# Altium PCB LimeSDR-Micro_M.2_1v0.PcbDoc (part 4 of 7)
Units mm, origin at the board's own origin, x right, y up, seen from the top; angles counter-clockwise.
Board outline 80 x 22 mm, 8 copper layers (Top, L2, L3, L4, L5, L6, L7, Bottom), stack 0.775 mm thick; 661 components, 371 nets, 2334 pads, 807 vias.
Unrouted connection lines stored in the file: 254.
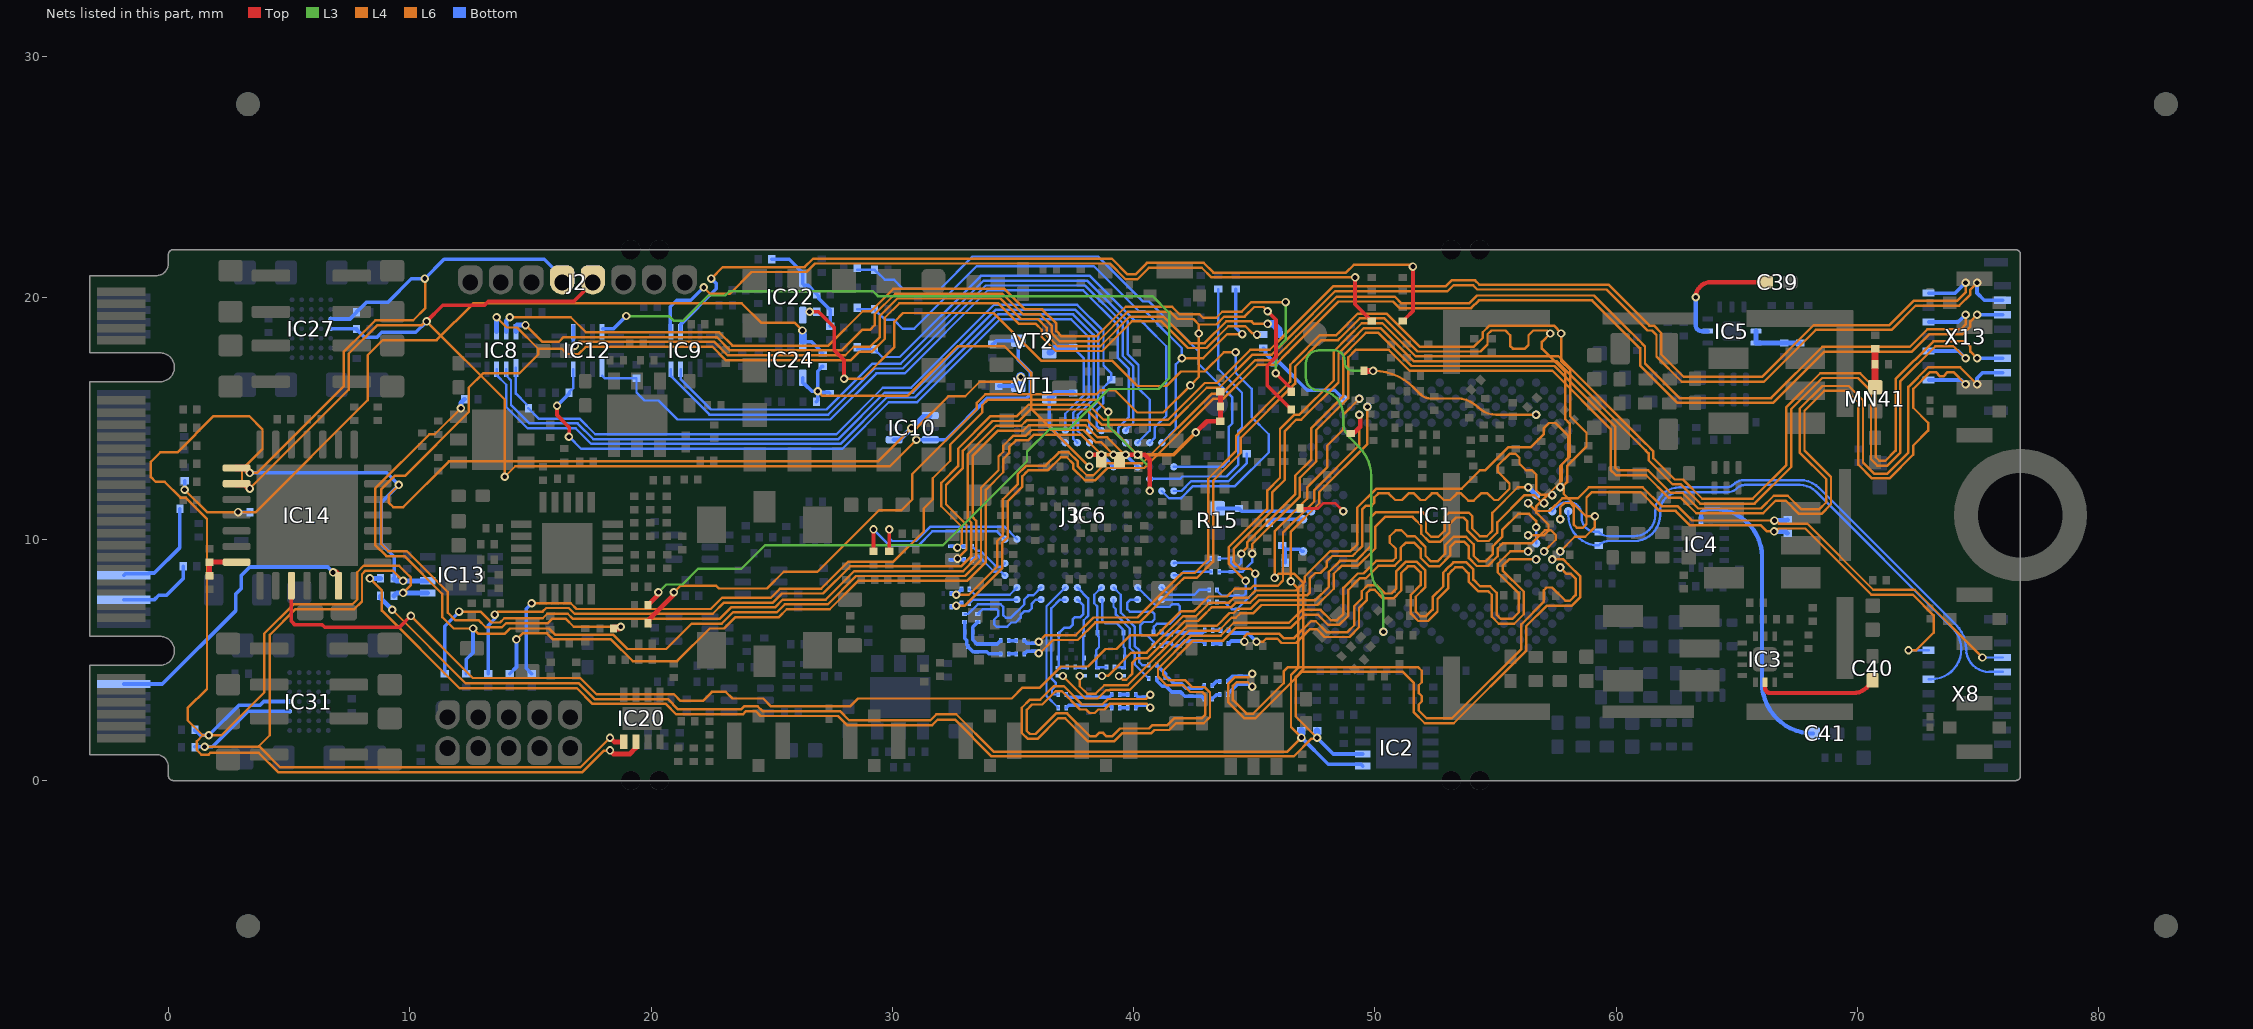
[diagram p10: the nets of this part, all layers, seen from the top]

## Via types
v1: diameter 0.35, hole 0.2, Top to Bottom, tented both sides, 696 vias
v2: diameter 0.35, hole 0.2, L5 to Bottom, tented both sides, 73 vias
v3: diameter 0.4, hole 0.2, Top to Bottom, tented both sides, 30 vias
v4: diameter 0.5, hole 0.2, Top to Bottom, tented both sides, 8 vias

## Nets (pads, with @x,y where several pads share a name; then routed paths per layer and width w, separated by ;. In a path a pad name is that pad's centre, name@x,y a point inside that pad or via, vN(x,y) a via of type N, cw(c..) or ccw(c..) an arc to the next point about the centre after c; other vN are vias at no path point) (continued)
LA_CFG_PCIE_GEN: IC6.P13 R124.2 R133.1 | length 19.8
  Bottom w0.1: R124.2@28.55,17.875 R133.1@29.265,17.875 29.265,17.866 29.581,17.55 30.305,17.55 33.67,20.915 38.186,20.915 40.051,19.05 40.3,19.05 40.375,18.975 40.385,18.975 40.575,18.785 40.575,18.775 41.35,18 41.35,15.108 40.867,14.624 40.867,14.2 IC6.P13@40.667,14
LA_CFG_RST_HNDSHK: IC6.P14 R120.2 R129.1 R136.1 | length 25.4
  L6 w0.1: v1(42,17.5) 42.881,17.5 43.881,18.5 v1(44.5,18.5)
  Bottom w0.1: R120.2@28.55,19.525 R129.1@29.265,19.525 29.265,19.5 29.365,19.4 29.39,19.4 29.69,19.1 30.05,19.1 30.425,18.725 30.905,18.725 33.495,21.315 38.352,21.315 40.217,19.45 40.466,19.45 40.541,19.375 40.55,19.375 40.975,18.95 40.975,18.941 42,17.916 v1(42,17.5) 41.75,17.25 41.75,14.583 IC6.P14@41.167,14
  Bottom w0.15: R136.1@44.238,20.365 44.238,18.762 v1(44.5,18.5)
LA_CFG_TEST_PORT_DIS: IC6.M15 R121.2 R130.1 | length 24.2
  Bottom w0.1: R121.2@28.55,21.175 R130.1@29.265,21.175 29.265,21.15 29.365,21.05 29.39,21.05 29.69,20.75 30.075,20.75 30.45,20.375 31.989,20.375 33.329,21.715 38.518,21.715 40.383,19.85 40.631,19.85 40.706,19.775 40.716,19.775 41.375,19.116 41.375,19.106 42.7,17.781 42.7,17.258 44.091,15.867 44.091,14.806 43.941,14.656 43.941,13.258 43.683,13 IC6.M15@41.667,13
LA_DCS_CLK_N: IC6.F2 R89.2 | length 7.1
  Top w0.15: R89.2@29.87,9.505 v1(29.87,10.405)
  Bottom w0.1: v1(29.87,10.405) 29.87,10.055 30,9.925 30.975,9.925 31.575,10.525 34.642,10.525 IC6.F2@35.167,10
LA_DCS_CLK_P: IC6.F1 R85.2 | length 7
  Top w0.15: R85.2@29.22,9.505 v1(29.22,10.405)
  Bottom w0.1: v1(29.22,10.405) 29.9,9.725 31.058,9.725 31.658,10.325 34.342,10.325 IC6.F1@34.667,10
LA_GPIO_05: IC6.L13 R134.1 | length 11.7
  Bottom w0.1: IC6.L13@40.667,12.5 41.916,12.5 42.016,12.6 43.849,12.6 44.341,13.092 44.341,14.491 44.491,14.641 44.491,16.067 43.512,17.045 R134.1@43.512,20.365
LA_GPIO_06: IC6.K15 R138.1 | length 3.9
  Bottom w0.1: IC6.K15@41.667,12 41.983,12 42.383,12.4 43.931,12.4 44.691,13.159 R138.1@44.691,13.545
LA_HRESET: D1.A IC6.K13 R77.2 R94.2 | length 39.2
  Top w0.2: D1.A@39.341,13.5 40.466,13.5 40.667,13.299 v1(40.667,12)
  L3 w0.1: v1(38.95,15.275) 38.95,14.691 40.667,12.974 v1(40.667,12)
  L6 w0.1: v1(15.05,7.35) 16.3,7.35 16.674,7.35 16.914,7.11 22.477,7.11 22.942,7.575 24.966,7.575 25.341,7.95 27.051,7.95 28.176,9.075 30.05,9.075 31.3,10.325 31.3,11.275 31.675,11.65 31.675,12.525 32.4,13.25 32.4,13.925 33.725,15.25 33.725,15.55 33.95,15.775 38.45,15.775 v1(38.95,15.275)
  Bottom w0.15: R77.2@15.05,4.43 14.825,4.655 14.825,7.125 v1(15.05,7.35)
LA_I2C_SCL: IC10.1 IC10.4 IC13.6 IC14.8 IC20.5 IC27.E5 IC31.E5 J2.4 pad.2@16.32,20.84 R26.1 R143.2 R207.2 R221.2 VT1.D | length 104.1
  Top w0.2: v1(18.3,1.775) 18.475,1.6 IC20.5@18.875,1.6
  Top w0.3: IC14.8@2.825,12.95 3.25,12.95 3.25,12.889 3.375,12.764 v1(3.375,12.75)
  L6 w0.1: v1@1.548,1.448 v1(1.5,1.4) 3.725,1.4 4.2,1.875 4.2,6.035 5.267,7.102 7.702,7.102 8.025,7.425 8.025,8.55 8.175,8.7 9.3,8.7 v1(9.725,8.275) ; v1(3.375,12.75) 3.675,12.75 7.275,16.35 7.275,17.775 8.1,18.6 ; 3.75,1.425 4.625,0.55 17.075,0.55 v1(18.3,1.775) ; 8.101,18.6 8.576,19.075 10.15,19.075 10.65,19.575 10.65,20.775 v1(10.625,20.8) ; v1@9.675,12.25 v1(9.55,12.25) 9.125,11.825 9.125,11.525 9.325,11.325 9.725,11.325 11.625,13.225 29.414,13.225 v1(30.794,14.605) 31.005,14.605 32.325,15.925 33.025,15.925 33.625,16.525 35.125,16.525 v1(35.321,16.721)
  Bottom w0.15: R221.2@1.1,1.4 v1(1.5,1.4) 1.825,1.4 3.3,2.875 4.225,2.875 IC31.E5@5.025,2.875 ; v1(3.375,12.75) 9.05,12.75 v1(9.55,12.25) 8.825,11.525 8.825,9.8 9.355,9.27 R26.1@9.355,8.375 ; IC27.E5@6.725,19.125 7.525,19.125 R207.2@7.8,19.4 7.8,19.425 7.875,19.5 7.888,19.5 8.213,19.825 9.1,19.825 10.065,20.79 10.615,20.79 v1(10.625,20.8) 11.425,21.6 15.575,21.6 16.32,20.855 pad.2@16.32,20.84 J2.4@16.32,20.64 ; R143.2@34.41,16.35 VT1.D@35.221,16.35
  Bottom w0.2: R26.1@9.355,8.375 9.355,8.35 9.405,8.3 9.43,8.3 9.455,8.275 v1(9.725,8.275) IC13.6@10.75,8.275 ; IC10.1@30.075,14.125 30.314,14.125 v1(30.794,14.605) 31.274,15.085 31.535,15.085 IC10.4@31.575,15.125
  Bottom w0.4: VT1.D@35.221,16.35 35.271,16.35 35.321,16.4 v1(35.321,16.721)
LA_I2C_SCL_LS: IC6.P6 R144.2 VT1.S | length 3.3
  Bottom w0.1: 37.239,16.063 37.264,16.063 R144.2@37.364,15.963
  Bottom w0.15: VT1.S@36.511,15.86 36.511,14.656 IC6.P6@37.167,14
  Bottom w0.25: VT1.S@36.511,15.86 36.561,15.86 36.763,16.063 37.239,16.063 ; 37.264,16.063 R144.2@37.489,16.063
LA_I2C_SDA: IC10.6 IC13.5 IC14.9 IC20.6 IC27.D5 IC31.D5 J2.5 pad.2@17.59,20.84 R30.1 R149.2 R209.2 R220.2 VT2.D | length 120.9
  Top w0.15: v1(10.7,19.025) 11.375,19.7 13.1,19.7 13.25,19.85 16.8,19.85 J2.5@17.59,20.64
  Top w0.2: v1(18.3,1.25) 18.45,1.1 19.125,1.1 19.375,1.35 IC20.6@19.375,1.6
  Top w0.3: IC14.9@2.825,12.3 3.25,12.3 3.25,12.239 3.375,12.114 v1(3.375,12.1)
  L4 w0.1: v1(10.7,19.025) 13.938,15.787 v1(13.938,12.588)
  L6 w0.1: v1(9.725,7.775) 10.05,8.1 10.05,8.41 9.86,8.6 ; 9.859,8.6 9.559,8.9 8.092,8.9 7.825,8.633 7.825,7.508 7.619,7.302 5.185,7.302 3.975,6.092 3.975,3.65 2.2,1.875 v1(1.675,1.875) 1.425,1.875 ; v1(10.7,19.025) 10.666,19.025 10.516,18.875 8.659,18.875 7.475,17.691 7.475,16.2 v1(3.375,12.1) 3.05,12.425 3.05,12.885 3.9,13.735 3.9,14.55 3.35,15.1 1.875,15.1 0.375,13.6 -0.335,13.6 -0.725,13.21 -0.725,12.575 -0.53,12.38 -0.155,12.38 0.5,11.725 0.717,11.725 1.6,10.842 1.6,3.8 0.8,3 0.8,2.5 1.425,1.875 ; v1(13.938,12.588) 14.375,13.025 29.9,13.025 v1(31,14.125) ; v1(18.3,1.25) 18.291,1.241 18.049,1.241 17.158,0.35 4.542,0.35 3.742,1.15 1.74,1.15 1.665,1.075 1.365,1.075 1.175,1.265 1.175,1.625 1.425,1.875
  Bottom w0.15: R220.2@1.1,2.1 1.1,2.075 1.175,2 1.2,2 1.325,1.875 v1(1.675,1.875) 2.925,3.125 3.8,3.125 3.95,3.275 IC31.D5@5.025,3.275 ; IC27.D5@6.725,18.725 R209.2@7.8,18.725 ; R209.2@7.8,18.713 7.8,18.687 7.875,18.613 7.888,18.613 8.138,18.362 8.635,18.362 8.848,18.575 10.25,18.575 v1(10.7,19.025) ; v1(31,14.125) IC10.6@31.575,14.125 32.22,14.125 33.945,15.85 35.575,15.85 35.725,16 35.725,16.925 35.221,17.429 VT2.D@35.221,18.225 34.315,18.225 34.175,18.085 R149.2@34.15,18.085
  Bottom w0.2: R30.1@9.355,7.65 9.355,7.675 9.405,7.725 9.43,7.725 9.48,7.775 v1(9.725,7.775) IC13.5@10.75,7.775
LA_I2C_SDA_LS: IC6.R6 R148.2 VT2.S | length 5
  Bottom w0.1: IC6.R6@37.167,14.5 37.167,15.199 37.941,15.974 37.941,16.861 37.941,17.486 R148.2@37.489,17.938
  Bottom w0.25: VT2.S@36.511,17.735 36.561,17.735 36.763,17.938 R148.2@37.489,17.938
LA_LED1: IC9.9 R141.2 | length 33.1
  Top w0.15: v1(49.175,20.85) 49.175,19.733 49.775,19.133 49.775,19.12 49.85,19.045 R141.2@49.875,19.045
  L6 w0.1: v1(22.187,20.438) 22.45,20.175 23.267,20.175 24.167,21.075 26.45,21.075 26.8,21.425 39.016,21.425 39.666,20.775 40.158,20.775 40.633,21.25 42.825,21.25 43.225,20.85 v1(49.175,20.85)
  Bottom w0.15: IC9.9@20.825,18.6 20.803,18.622 20.803,19.302 20.8,19.305 20.8,19.595 20.803,19.598 20.803,19.628 21.075,19.9 21.65,19.9 v1(22.187,20.438)
LA_LED1_LS: IC6.R11 IC9.4 | length 27.3
  Bottom w0.1: IC9.4@20.825,17.05 20.825,16.758 22.42,15.162 27.345,15.162 29.258,17.075 30.431,17.075 33.871,20.515 37.989,20.515 39.55,18.954 39.55,17.592 39.991,17.151 39.991,14.824 IC6.R11@39.667,14.5
LA_LED2: IC9.10 R147.2 | length 35.7
  Top w0.15: R147.2@51.15,19.045 51.175,19.045 51.25,19.12 51.25,19.133 51.575,19.458 51.575,21.2 51.475,21.3 v1(51.575,21.3)
  L6 w0.1: v1(22.5,20.8) 22.975,21.275 26.367,21.275 26.717,21.625 39.099,21.625 39.749,20.975 40.075,20.975 40.55,21.45 42.908,21.45 43.308,21.05 48.8,21.05 49.125,21.375 51.5,21.375 v1(51.575,21.3)
  Bottom w0.15: IC9.10@21.225,18.6 21.225,18.9 22.7,20.375 22.7,20.6 v1(22.5,20.8)
LA_LED2_LS: IC6.P12 IC9.3 | length 28
  Bottom w0.1: IC9.3@21.225,17.05 21.225,16.64 22.49,15.375 27.275,15.375 29.175,17.275 30.348,17.275 33.788,20.715 38.072,20.715 39.75,19.037 39.75,17.675 40.2,17.225 40.2,16.25 40.666,15.784 40.666,14.499 IC6.P12@40.167,14
LA_PPS_IN: IC22.3 R177.2 R180.2 R183.2 R186.1 | length 4.2
  Bottom w0.15: R177.2@25.005,21.6 25.725,21.6 26.289,21.036 IC22.3@26.289,20.79 26.289,20.591 26.364,20.516 26.504,20.516 R180.2@26.87,20.15 26.945,20.075 26.945,19.985 R186.1@27.43,19.5 ; R183.2@27.43,18.825 R186.1@27.43,19.425
LA_PPS_IN_LS: IC6.K14 IC22.4 R186.2 | length 33.4
  Top w0.15: v1(26.572,19.425) 26.944,19.425 27.6,18.769 27.6,17.825 28,17.425 v1(28,16.65)
  L6 w0.1: v1(28,16.65) 28.775,16.65 30.087,17.962 30.087,19.012 30.45,19.375 34.192,19.375 36.167,17.4 39.107,17.4 40.157,16.35 41.367,16.35 41.967,16.95 42.94,16.95 43.74,17.75 v1@44.175,17.75
  Bottom w0.1: IC6.K14@41.167,12 41.467,11.7 41.966,11.7 42.466,12.2 44.2,12.2 45.6,13.6 45.6,14.35 44.891,15.059 44.891,16.233 44.225,16.899 v1(44.225,17.75)
LA_PPS_OUT: IC24.3 R193.2 R196.2 R197.1 | length 33.5
  L6 w0.1: v2(0.675,12.05) 1.6,11.125 v2(2.887,11.125) 3.625,11.125 8.258,15.758 8.258,17.625 8.883,18.25 11.117,18.25 12.642,19.775 23.758,19.775 24.558,18.975 25.95,18.975 v1(26.275,18.65)
  Bottom w0.15: v2(0.675,12.05) R193.2@0.675,12.42 ; v2(2.887,11.125) R196.2@3.387,11.125 ; IC24.3@26.289,18.19 26.644,18.19 27.014,17.82 27.014,17.795 27.089,17.72 R197.1@27.114,17.72
  Bottom w0.3: v1(26.275,18.65) 26.275,18.636 26.289,18.622 IC24.3@26.289,18.19
LA_PPS_OUT_LS: IC6.M8 IC24.4 R122.2 R131.1 R197.2 | length 18.1
  L4 w0.1: v1(26.91,16.129) 27.089,15.95 30.65,15.95 32.7,18 34.65,18 35.75,16.9 35.75,15.417 v1(38.167,13)
  Bottom w0.15: IC24.4@26.289,16.69 26.289,16.49 26.364,16.415 26.385,16.415 26.671,16.129 v1(26.91,16.129) ; R131.1@26.855,15.7 26.91,15.755 v1(26.91,16.129) ; v1@26.91,16.279 26.91,16.956 27.014,17.06 27.014,17.085 27.089,17.16 R197.2@27.114,17.16 ; R122.2@27.401,16.04 27.361,16.08 27.013,16.08 26.964,16.129 v1(26.91,16.129)
LA_RO0_EXT_I_N: R97.2 R106.1 X13.3 | length 56.8
  L6 w0.1: v2(32.7,9.2) 33.075,9.575 33.075,10.6 32.225,11.45 32.225,12.25 32.925,12.95 32.925,13.667 34.158,14.9 35.25,14.9 35.725,15.375 38.05,15.375 38.675,14.75 41.508,14.75 43.033,16.275 43.547,16.275 44.922,17.65 45.725,17.65 46.23,18.155 46.233,18.155 46.541,18.463 46.541,18.466 48.35,20.275 53.008,20.275 53.258,20.525 54.067,20.525 54.242,20.35 59.591,20.35 61.291,18.65 61.475,18.65 61.666,18.46 61.666,17.575 62.716,16.525 66.116,16.525 68.266,18.675 71.4,18.675 72.4,19.675 74.208,19.675 74.675,20.142 74.675,20.35 v2(74.95,20.625)
  Bottom w0.15: R106.1@32.426,9.15 R97.2@32.975,9.15 ; v2(74.95,20.625) 74.95,20.2 75.25,19.9 X13.3@76.008,19.9
LA_RO0_EXT_I_P: R96.2 R105.1 X13.2 | length 56.3
  L6 w0.1: v2(32.695,9.655) 32.875,9.835 32.875,10.517 32.025,11.367 32.025,12.333 32.725,13.033 32.725,13.75 34.075,15.1 35.167,15.1 35.642,15.575 38.133,15.575 38.758,14.95 41.425,14.95 42.95,16.475 43.464,16.475 44.839,17.85 45.642,17.85 46.147,18.355 46.15,18.355 46.341,18.545 46.341,18.549 48.267,20.475 52.925,20.475 53.175,20.725 54.15,20.725 54.325,20.55 59.674,20.55 61.374,18.85 61.558,18.85 61.866,18.542 61.866,17.658 62.799,16.725 66.033,16.725 68.183,18.875 71.317,18.875 72.317,19.875 74.125,19.875 74.475,20.225 v2(74.475,20.625)
  Bottom w0.15: R105.1@32.421,9.705 R96.2@32.97,9.705 ; X13.2@72.943,20.2 74.05,20.2 v2(74.475,20.625)
LA_RO0_EXT_Q_N: R99.2 R108.1 X13.6 | length 55.9
  L6 w0.1: v2(32.651,7.7) 33.175,7.7 34.35,8.875 34.35,9.925 34.575,10.15 34.575,11.651 35.191,12.267 35.191,12.692 35.498,13 35.5,13 35.55,13.05 36.35,13.05 36.9,13.6 37.107,13.6 37.309,13.6 37.692,13.217 37.692,13.015 38.057,12.65 38.333,12.65 38.833,13.15 40.358,13.15 43.233,16.025 43.641,16.025 45.041,17.425 45.783,17.425 46.313,17.955 46.316,17.955 46.741,18.38 46.741,18.383 48.408,20.05 50.825,20.05 51.1,19.775 53.9,19.775 54.225,20.1 59.081,20.1 59.534,19.648 60.366,18.816 60.916,18.266 61.191,17.991 61.191,17.283 62.624,15.85 66.417,15.85 68.542,17.975 72.167,17.975 72.892,18.7 74.275,18.7 74.475,18.9 v2(74.475,19.3)
  Bottom w0.15: R108.1@32.436,7.75 32.696,7.75 32.839,7.893 32.866,7.893 R99.2@32.866,7.925 ; X13.6@72.943,19 74.175,19 v2(74.475,19.3)
LA_RO0_EXT_Q_P: R98.2 R107.1 X13.5 | length 55.8
  L6 w0.1: v2(32.651,7.25) 33.008,7.25 34.55,8.792 34.55,9.842 34.775,10.067 34.775,11.568 35.391,12.184 35.391,12.61 35.581,12.8 35.583,12.8 35.633,12.85 36.433,12.85 36.983,13.4 37.226,13.4 37.492,13.135 37.492,12.933 37.974,12.45 38.016,12.45 38.416,12.45 38.916,12.95 40.441,12.95 43.316,15.825 43.724,15.825 45.124,17.225 45.866,17.225 46.396,17.755 46.399,17.755 46.941,18.297 46.941,18.3 48.491,19.85 50.742,19.85 51.017,19.575 53.983,19.575 54.308,19.9 58.999,19.9 60.991,17.908 60.991,17.2 62.541,15.65 66.5,15.65 68.625,17.775 72.25,17.775 72.975,18.5 74.358,18.5 74.675,18.817 74.675,19.025 v2(74.95,19.3)
  Bottom w0.15: R107.1@32.436,7.2 32.655,7.2 32.772,7.318 32.866,7.318 R98.2@32.866,7.35 ; v2(74.95,19.3) X13.5@76.008,19.3
LA_RO0_I_N: IC6.C1 R97.1 | length 1.8
  Bottom w0.1: R97.1@33.305,9.15 33.48,9.325 33.55,9.325 34.225,8.65 34.508,8.65 34.658,8.5 IC6.C1@34.667,8.5
LA_RO0_I_P: IC6.D1 R96.1 | length 1.8
  Bottom w0.1: R96.1@33.3,9.705 33.48,9.525 33.65,9.525 34.325,8.85 34.508,8.85 34.658,9 IC6.D1@34.667,9
LA_RO0_Q_N: IC6.B2 R99.1 | length 2.2
  Bottom w0.1: R99.1@33.196,7.925 33.421,7.7 34.867,7.7 IC6.B2@35.167,8
LA_RO0_Q_P: IC6.A2 R98.1 | length 2
  Bottom w0.1: R98.1@33.196,7.35 33.346,7.5 IC6.A2@35.167,7.5
LA_RO1_EXT_I_N: R101.2 R110.1 X13.11 | length 55.9
  L6 w0.1: v2(44.641,8.275) 43.941,8.975 43.941,9.675 45.541,11.275 45.541,12.025 46.066,12.55 46.066,14.567 46.649,15.15 46.858,15.15 48.291,16.583 48.291,17.784 48.886,18.379 ; 48.886,18.38 49.455,18.95 50.314,18.95 51.684,17.58 57.601,17.58 61.106,14.075 61.108,14.075 61.416,13.767 61.416,13.765 61.541,13.64 61.541,13.358 62.424,12.475 62.766,12.475 63.566,11.675 65.65,11.675 67.05,13.075 67.05,15.475 68.455,16.88 70.103,16.88 70.755,16.228 70.755,13.395 70.9,13.25 71.15,13.25 71.575,13.675 71.575,16.2 71.575,16.633 73.142,18.2 73.575,18.2 74.458,18.2 74.675,17.983 74.675,17.775 v2(74.95,17.5)
  Bottom w0.1: R101.2@43.456,7.9 43.456,7.868 43.673,7.65 R110.1@44.281,7.65 44.548,7.65 44.641,7.743 v2(44.641,8.275)
  Bottom w0.15: v2(74.95,17.5) X13.11@76.008,17.5
LA_RO1_EXT_I_P: R100.2 R109.1 X13.10 | length 56.4
  L6 w0.1: v2(45.041,8.575) 44.841,8.775 44.424,8.775 44.141,9.058 44.141,9.592 45.741,11.192 45.741,11.467 45.741,11.942 46.266,12.467 46.266,14.484 46.731,14.95 46.941,14.95 48.491,16.5 48.491,17.701 49.086,18.296 ; 49.086,18.297 49.538,18.75 50.231,18.75 51.601,17.38 57.518,17.38 61.023,13.875 61.025,13.875 61.216,13.685 61.216,13.683 61.341,13.558 61.341,13.275 62.341,12.275 62.683,12.275 63.483,11.475 65.733,11.475 67.25,12.992 67.25,15.392 68.538,16.68 70.02,16.68 70.555,16.145 70.555,13.312 70.817,13.05 71.233,13.05 71.775,13.592 71.775,16.55 73.225,18 73.975,18 v2(74.475,17.5)
  Bottom w0.1: R100.2@43.456,7.4 43.766,7.4 44.066,7.1 R109.1@44.281,7.1 45.041,7.86 v2(45.041,8.575)
  Bottom w0.15: X13.10@72.943,17.8 74.175,17.8 v2(74.475,17.5)
LA_RO1_EXT_Q_N: R103.2 R112.1 X13.14 | length 56.5
  L6 w0.1: v2(44.916,9.4) 44.916,9.8 46.891,11.775 46.891,12.55 47.566,13.225 47.566,14.525 48.891,15.85 48.891,17.536 49.2,17.845 50.571,17.845 51.436,16.98 57.353,16.98 59.766,14.567 59.766,12.875 59.991,12.65 61.241,12.65 62.166,11.725 62.667,11.725 63.317,11.075 66.083,11.075 66.608,11.6 67.025,11.6 67.575,11.05 68.5,11.05 68.9,11.45 68.9,12.575 67.8,13.675 67.8,15.325 68.625,16.15 69.55,16.15 70.025,15.675 70.025,13.092 70.597,12.52 71.32,12.52 72.305,13.505 72.305,13.881 72.925,14.5 72.925,14.827 72.305,15.447 72.305,16.23 73,16.925 73.244,16.925 73.419,16.75 73.556,16.75 73.731,16.925 73.975,16.925 v2(74.475,16.425)
  Bottom w0.1: R103.2@43.541,8.65 R112.1@44.041,8.65 44.516,8.65 44.916,9.05 v2(44.916,9.4)
  Bottom w0.15: X13.14@72.943,16.6 74.3,16.6 v2(74.475,16.425)
LA_RO1_EXT_Q_P: R102.2 R111.1 X13.13 | length 56.7
  L6 w0.1: v2@44.453,9.412 44.716,9.675 44.716,9.883 46.691,11.858 46.691,12.633 47.366,13.308 47.366,14.608 48.691,15.933 48.691,17.619 49.286,18.214 49.621,18.55 50.149,18.55 51.519,17.18 57.435,17.18 59.966,14.65 59.966,12.958 60.074,12.85 61.324,12.85 62.249,11.925 62.75,11.925 63.4,11.275 66,11.275 66.525,11.8 67.108,11.8 67.658,11.25 68.417,11.25 68.7,11.533 68.7,12.492 67.6,13.592 67.6,15.408 68.542,16.35 69.633,16.35 70.225,15.758 70.225,15.433 70.225,13.175 70.68,12.72 71.237,12.72 72.105,13.588 72.105,15.738 72.105,16.313 72.917,17.125 73.492,17.125 74.25,17.125 v2(74.95,16.425)
  Bottom w0.1: R102.2@43.541,9.2 R111.1@44.041,9.2 44.041,9.034 44.199,8.875 44.316,8.875 44.466,9.025 v2(44.466,9.4)
  Bottom w0.15: v2(74.95,16.425) 74.95,16.675 75.175,16.9 X13.13@76.008,16.9
LA_RO1_I_N: IC6.B14 R101.1 | length 2.2
  Bottom w0.1: IC6.B14@41.167,8 41.467,7.7 42.516,7.7 42.716,7.9 R101.1@43.126,7.9
LA_RO1_I_P: IC6.A14 R100.1 | length 2
  Bottom w0.1: IC6.A14@41.167,7.5 41.205,7.538 41.243,7.5 43.026,7.5 R100.1@43.126,7.4
LA_RO1_Q_N: IC6.C15 R103.1 | length 1.6
  Bottom w0.1: IC6.C15@41.667,8.5 41.916,8.5 42.066,8.65 R103.1@43.211,8.65 43.198,8.662 R103.1@43.186,8.675
LA_RO1_Q_P: IC6.D15 R102.1 | length 1.6
  Bottom w0.1: IC6.D15@41.667,9 41.692,9.025 43.036,9.025 R102.1@43.211,9.2
LA_RX0_I_N: IC6.A4 R28.1 | length 4.2
  Bottom w0.1: R28.1@33.541,6.9 33.573,6.9 33.598,6.925 33.598,6.958 33.741,7.1 34.32,7.1 34.391,7.029 34.391,6.837 34.216,6.662 34.216,6.475 34.316,6.375 34.756,6.375 34.931,6.55 35.116,6.55 35.316,6.75 35.316,6.866 35.473,7.023 35.664,7.023 35.783,7.142 35.783,7.333 35.946,7.496 36.163,7.496 IC6.A4@36.167,7.5
LA_RX0_I_P: IC6.B4 R34.1 | length 4.4
  Bottom w0.1: R34.1@32.991,6.9 33.14,6.9 33.54,7.3 34.491,7.3 34.591,7.2 34.591,6.858 34.699,6.75 34.917,6.75 35.467,7.3 35.467,7.501 35.641,7.675 35.842,7.675 IC6.B4@36.167,8
LA_RX0_Q_N: IC6.B6 R37.1 | length 5.5
  Bottom w0.1: R37.1@36.876,3.015 36.391,3.5 36.391,7.224 IC6.B6@37.167,8
LA_RX0_Q_P: IC6.A6 R42.1 | length 4.7
  Bottom w0.1: R42.1@36.876,3.565 36.676,3.565 36.616,3.625 36.616,3.775 36.766,3.925 36.766,4.06 36.591,4.235 36.591,7.141 36.946,7.496 37.163,7.496 IC6.A6@37.167,7.5
LA_RX1_I_N: IC6.B10 R44.1 | length 4
  Bottom w0.1: IC6.B10@39.167,8 39.466,7.701 39.466,7.625 39.467,7.624 39.467,7.376 39.466,7.375 39.466,6.958 40.041,6.383 40.041,5.583 40.241,5.383 40.241,4.903 40.359,4.785 R44.1@40.626,4.785
LA_RX1_I_P: IC6.A10 R49.1 | length 3.9
  Bottom w0.1: IC6.A10@39.167,7.5 39.167,7.199 39.266,7.1 39.266,6.875 39.841,6.3 39.841,5.5 40.041,5.3 40.041,4.82 R49.1@40.626,4.235
LA_RX1_Q_N: IC6.A12 R51.1 | length 4
  Bottom w0.1: IC6.A12@40.167,7.5 39.866,7.5 39.741,7.375 39.741,7.1 39.841,7 40.766,7 40.866,6.9 40.866,6.683 40.754,6.571 40.412,6.571 40.266,6.425 40.266,6.1 40.341,6.025 40.55,6.025 40.826,5.75 R51.1@40.826,5.675
LA_RX1_Q_P: IC6.B12 R58.1 | length 4
  Bottom w0.1: IC6.B12@40.167,8 40.467,7.7 ; 40.467,7.699 40.966,7.2 41.491,7.2 41.591,7.3 41.841,7.3 41.916,7.225 41.916,6.91 41.506,6.5 40.966,6.5 40.826,6.36 R58.1@40.826,6.15
LA_SPI_ADF_SS: IC12.12 R195.2 | length 53.1
  Top w0.2: R195.2@19.875,7.28 R195.2@19.88,7.275 19.88,7.3 19.93,7.35 19.955,7.35 v1@20.305,7.7
  L3 w0.1: v1(18.975,19.25) 18.988,19.237 20.763,19.237 20.95,19.05 21.325,19.05 22.375,20.1 23.065,20.1 23.24,20.275 29.2,20.275 29.4,20.075 40.775,20.075 41.475,19.375 41.475,16.675 41.025,16.225 38.975,16.225 37.325,14.575 36.525,14.575 35.581,13.631 35.581,13.231 32.1,9.75 24.725,9.75 23.75,8.775 21.95,8.775 21.3,8.125 20.63,8.125 v1(20.305,7.8)
  Bottom w0.15: IC12.12@18,18.725 18.45,18.725 v1(18.975,19.25)
LA_SPI_ADF_SS_LS: IC6.P11 IC12.1 R115.2 | length 30.6
  Bottom w0.1: IC12.1@17.975,16.775 18.08,16.67 R115.2@19.4,16.67 19.4,16.083 19.733,15.75 20.316,15.75 21.104,14.962 27.428,14.962 29.341,16.875 30.514,16.875 33.954,20.315 37.906,20.315 39.35,18.871 39.35,17.509 39.791,17.069 39.791,15.048 39.367,14.624 39.367,14.3 IC6.P11@39.667,14
LA_SPI_LMS_SS: IC12.9 R23.2 | length 34.4
  L6 w0.1: v2(16.85,18.025) 16.884,18.025 17.034,18.175 22.625,18.175 23.175,17.625 28.05,17.625 28.4,17.975 29.075,17.975 29.488,18.387 29.488,19.261 30.201,19.975 34.484,19.975 35.334,19.125 36.033,19.125 36.393,18.764 36.393,18.464 36.858,18 38.617,18 39.842,19.225 41.233,19.225 42.333,18.125 42.941,18.125 43.841,19.025 44.89,19.025 44.99,18.925 v1(45.55,18.925)
  Bottom w0.15: IC12.9@16.775,18.825 IC12.9@16.775,18.6 16.775,18.154 16.85,18.079 v2(16.85,18.025)
  Bottom w0.3: v1(45.55,18.925) 45.775,18.925 46.016,18.684 R23.2@46.016,18.48
LA_SPI_LMS_SS_LS: IC6.P7 IC12.4 R116.2 | length 32.3
  Top w0.15: v1(16.105,15.53) 16.105,15.145 16.605,14.645 16.605,14.255 v1(16.6,14.25)
  Bottom w0.1: v1(16.6,14.25) 17.1,13.75 27.93,13.75 29.855,15.675 31.028,15.675 34.468,19.115 37.409,19.115 38.141,18.383 38.141,16.944 38.141,15.891 37.491,15.241 37.491,14.176 IC6.P7@37.667,14 ; R116.2@16.605,16.075 16.605,16.1 16.705,16.2 16.716,16.2 16.775,16.259 IC12.4@16.775,17.05
  Bottom w0.15: v1(16.105,15.53) 16.605,16.03 R116.2@16.605,16.075
LA_SPI_MISO: IC8.11 R22.2 | length 40.4
  Top w0.15: v1(45.891,16.875) 46.536,16.23 R22.2@46.536,16.107
  L3 w0.1: v1(45.891,16.875) 45.891,17.85 46.3,18.259 v1(46.3,19.825)
  L6 w0.1: v1(14.15,19.2) 16.675,19.2 17.3,18.575 22.825,18.575 23.375,18.025 27.35,18.025 28.775,19.45 29.111,19.45 30.036,20.375 34.65,20.375 35.5,19.525 36.208,19.525 36.8,18.933 36.8,18.624 37.017,18.407 38.449,18.407 39.674,19.632 41.593,19.632 41.9,19.325 42.725,19.325 42.875,19.175 43.425,19.175 43.675,19.425 44.475,19.425 44.875,19.825 v1(46.3,19.825)